# KiCad board 4servoboard-4x4.kicad_pcb (continued)
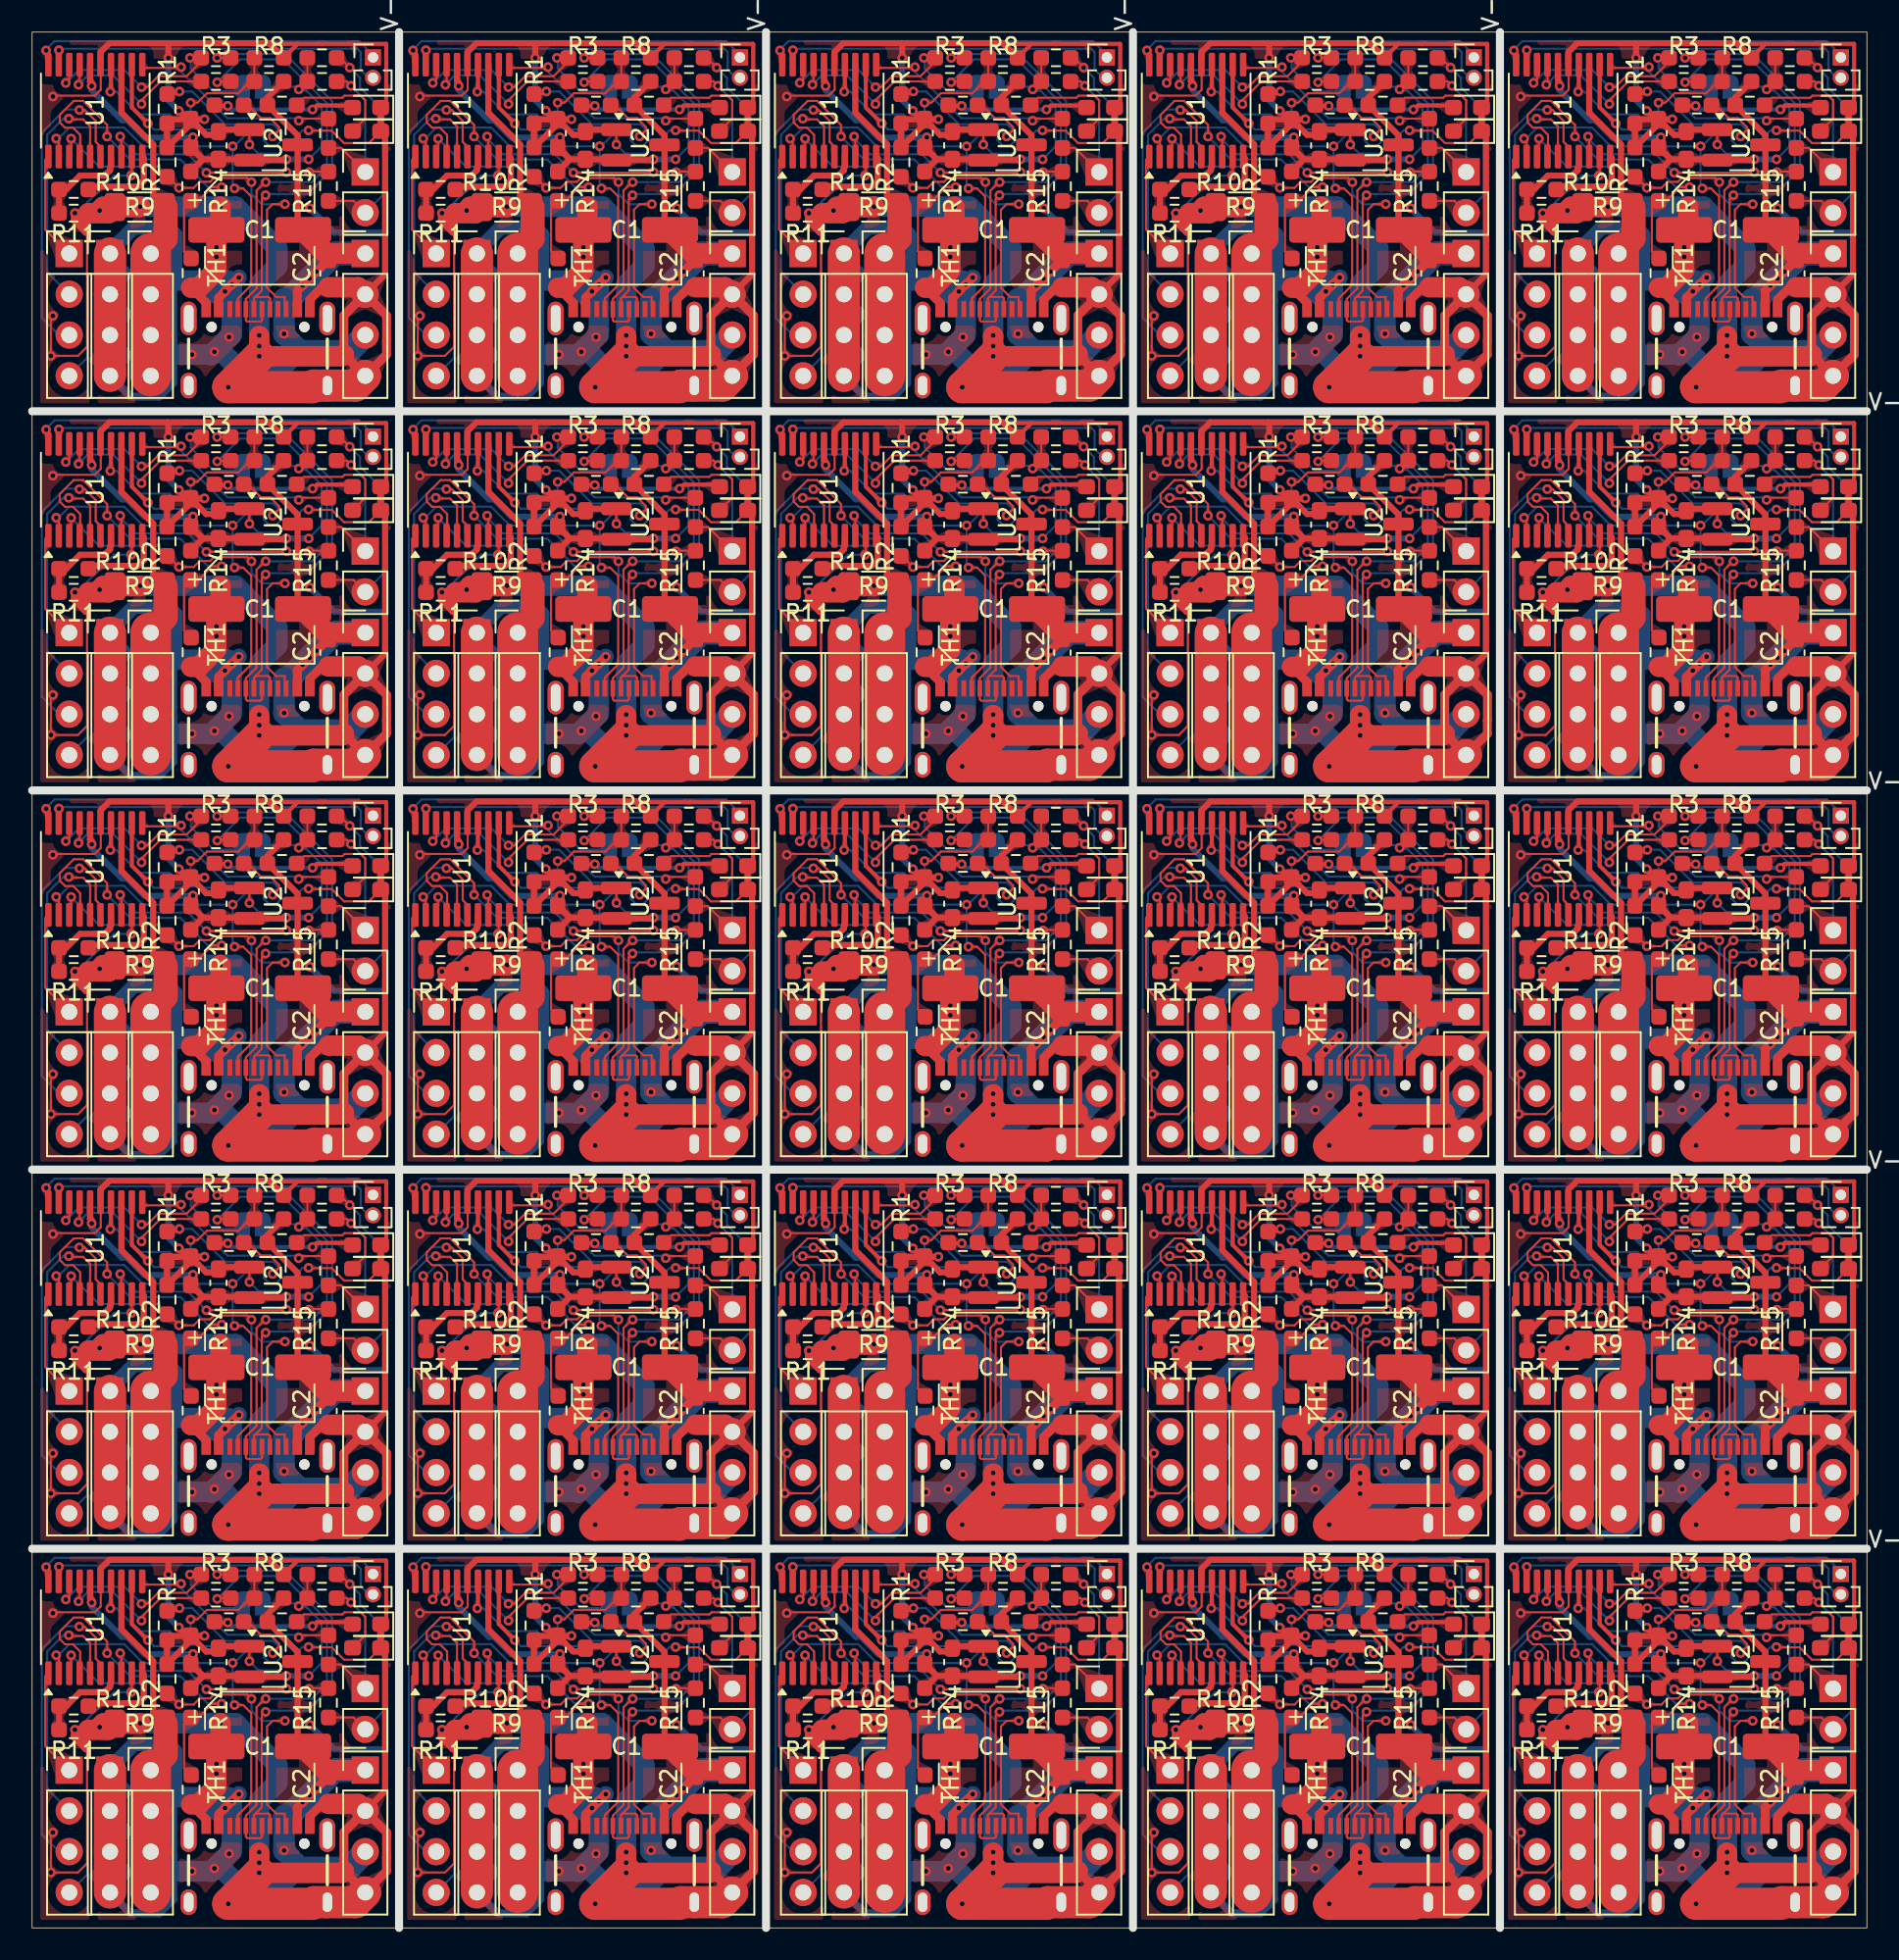
[diagram p0: board, top side]
## Nets (continued)
MCU_LED: R6.2 R6#2.2 R6#3.2 R6#4.2 R6#5.2 R6#6.2 R6#7.2 R6#8.2 R6#9.2 R6#10.2 R6#11.2 R6#12.2 R6#13.2 R6#14.2 R6#15.2 R6#16.2 R6#17.2 R6#18.2 R6#19.2 R6#20.2 R6#21.2 R6#22.2 R6#23.2 R6#24.2 R6#25.2 U1.12 U1#2.12 U1#3.12 U1#4.12 U1#5.12 U1#6.12 U1#7.12 U1#8.12 U1#9.12 U1#10.12 U1#11.12 U1#12.12 U1#13.12 U1#14.12 U1#15.12 U1#16.12 U1#17.12 U1#18.12 U1#19.12 U1#20.12 U1#21.12 U1#22.12 U1#23.12 U1#24.12 U1#25.12
OPA_N: R10.2 R10#2.2 R10#3.2 R10#4.2 R10#5.2 R10#6.2 R10#7.2 R10#8.2 R10#9.2 R10#10.2 R10#11.2 R10#12.2 R10#13.2 R10#14.2 R10#15.2 R10#16.2 R10#17.2 R10#18.2 R10#19.2 R10#20.2 R10#21.2 R10#22.2 R10#23.2 R10#24.2 R10#25.2 R11.1 R11#2.1 R11#3.1 R11#4.1 R11#5.1 R11#6.1 R11#7.1 R11#8.1 R11#9.1 R11#10.1 R11#11.1 R11#12.1 R11#13.1 R11#14.1 R11#15.1 R11#16.1 R11#17.1 R11#18.1 R11#19.1 R11#20.1 R11#21.1 R11#22.1 R11#23.1 R11#24.1 R11#25.1 U1.7 U1#2.7 U1#3.7 U1#4.7 U1#5.7 U1#6.7 U1#7.7 U1#8.7 U1#9.7 U1#10.7 U1#11.7 U1#12.7 U1#13.7 U1#14.7 U1#15.7 U1#16.7 U1#17.7 U1#18.7 U1#19.7 U1#20.7 U1#21.7 U1#22.7 U1#23.7 U1#24.7 U1#25.7
OPA_O: R10.1 R10#2.1 R10#3.1 R10#4.1 R10#5.1 R10#6.1 R10#7.1 R10#8.1 R10#9.1 R10#10.1 R10#11.1 R10#12.1 R10#13.1 R10#14.1 R10#15.1 R10#16.1 R10#17.1 R10#18.1 R10#19.1 R10#20.1 R10#21.1 R10#22.1 R10#23.1 R10#24.1 R10#25.1 U1.10 U1#2.10 U1#3.10 U1#4.10 U1#5.10 U1#6.10 U1#7.10 U1#8.10 U1#9.10 U1#10.10 U1#11.10 U1#12.10 U1#13.10 U1#14.10 U1#15.10 U1#16.10 U1#17.10 U1#18.10 U1#19.10 U1#20.10 U1#21.10 U1#22.10 U1#23.10 U1#24.10 U1#25.10
OPA_P: J4.1 J4.2 J4.3 J4.4 J4#2.1 J4#2.2 J4#2.3 J4#2.4 J4#3.1 J4#3.2 J4#3.3 J4#3.4 J4#4.1 J4#4.2 J4#4.3 J4#4.4 J4#5.1 J4#5.2 J4#5.3 J4#5.4 J4#6.1 J4#6.2 J4#6.3 J4#6.4 J4#7.1 J4#7.2 J4#7.3 J4#7.4 J4#8.1 J4#8.2 J4#8.3 J4#8.4 J4#9.1 J4#9.2 J4#9.3 J4#9.4 J4#10.1 J4#10.2 J4#10.3 J4#10.4 J4#11.1 J4#11.2 J4#11.3 J4#11.4 J4#12.1 J4#12.2 J4#12.3 J4#12.4 J4#13.1 J4#13.2 J4#13.3 J4#13.4 J4#14.1 J4#14.2 J4#14.3 J4#14.4 J4#15.1 J4#15.2 J4#15.3 J4#15.4 J4#16.1 J4#16.2 J4#16.3 J4#16.4 J4#17.1 J4#17.2 J4#17.3 J4#17.4 J4#18.1 J4#18.2 J4#18.3 J4#18.4 J4#19.1 J4#19.2 J4#19.3 J4#19.4 J4#20.1 J4#20.2 J4#20.3 J4#20.4 J4#21.1 J4#21.2 J4#21.3 J4#21.4 J4#22.1 J4#22.2 J4#22.3 J4#22.4 J4#23.1 J4#23.2 J4#23.3 J4#23.4 J4#24.1 J4#24.2 J4#24.3 J4#24.4 J4#25.1 J4#25.2 J4#25.3 J4#25.4 R9.1 R9#2.1 R9#3.1 R9#4.1 R9#5.1 R9#6.1 R9#7.1 R9#8.1 R9#9.1 R9#10.1 R9#11.1 R9#12.1 R9#13.1 R9#14.1 R9#15.1 R9#16.1 R9#17.1 R9#18.1 R9#19.1 R9#20.1 R9#21.1 R9#22.1 R9#23.1 R9#24.1 R9#25.1 U1.13 U1#2.13 U1#3.13 U1#4.13 U1#5.13 U1#6.13 U1#7.13 U1#8.13 U1#9.13 U1#10.13 U1#11.13 U1#12.13 U1#13.13 U1#14.13 U1#15.13 U1#16.13 U1#17.13 U1#18.13 U1#19.13 U1#20.13 U1#21.13 U1#22.13 U1#23.13 U1#24.13 U1#25.13
PB1: R7.2 R7#2.2 R7#3.2 R7#4.2 R7#5.2 R7#6.2 R7#7.2 R7#8.2 R7#9.2 R7#10.2 R7#11.2 R7#12.2 R7#13.2 R7#14.2 R7#15.2 R7#16.2 R7#17.2 R7#18.2 R7#19.2 R7#20.2 R7#21.2 R7#22.2 R7#23.2 R7#24.2 R7#25.2 R8.1 R8#2.1 R8#3.1 R8#4.1 R8#5.1 R8#6.1 R8#7.1 R8#8.1 R8#9.1 R8#10.1 R8#11.1 R8#12.1 R8#13.1 R8#14.1 R8#15.1 R8#16.1 R8#17.1 R8#18.1 R8#19.1 R8#20.1 R8#21.1 R8#22.1 R8#23.1 R8#24.1 R8#25.1 U1.14 U1#2.14 U1#3.14 U1#4.14 U1#5.14 U1#6.14 U1#7.14 U1#8.14 U1#9.14 U1#10.14 U1#11.14 U1#12.14 U1#13.14 U1#14.14 U1#15.14 U1#16.14 U1#17.14 U1#18.14 U1#19.14 U1#20.14 U1#21.14 U1#22.14 U1#23.14 U1#24.14 U1#25.14
PC3: R14.2 R14#2.2 R14#3.2 R14#4.2 R14#5.2 R14#6.2 R14#7.2 R14#8.2 R14#9.2 R14#10.2 R14#11.2 R14#12.2 R14#13.2 R14#14.2 R14#15.2 R14#16.2 R14#17.2 R14#18.2 R14#19.2 R14#20.2 R14#21.2 R14#22.2 R14#23.2 R14#24.2 R14#25.2 TH1.1 TH1#2.1 TH1#3.1 TH1#4.1 TH1#5.1 TH1#6.1 TH1#7.1 TH1#8.1 TH1#9.1 TH1#10.1 TH1#11.1 TH1#12.1 TH1#13.1 TH1#14.1 TH1#15.1 TH1#16.1 TH1#17.1 TH1#18.1 TH1#19.1 TH1#20.1 TH1#21.1 TH1#22.1 TH1#23.1 TH1#24.1 TH1#25.1 U1.4 U1#2.4 U1#3.4 U1#4.4 U1#5.4 U1#6.4 U1#7.4 U1#8.4 U1#9.4 U1#10.4 U1#11.4 U1#12.4 U1#13.4 U1#14.4 U1#15.4 U1#16.4 U1#17.4 U1#18.4 U1#19.4 U1#20.4 U1#21.4 U1#22.4 U1#23.4 U1#24.4 U1#25.4
PWM0: J2.1 J2#2.1 J2#3.1 J2#4.1 J2#5.1 J2#6.1 J2#7.1 J2#8.1 J2#9.1 J2#10.1 J2#11.1 J2#12.1 J2#13.1 J2#14.1 J2#15.1 J2#16.1 J2#17.1 J2#18.1 J2#19.1 J2#20.1 J2#21.1 J2#22.1 J2#23.1 J2#24.1 J2#25.1 U1.1 U1#2.1 U1#3.1 U1#4.1 U1#5.1 U1#6.1 U1#7.1 U1#8.1 U1#9.1 U1#10.1 U1#11.1 U1#12.1 U1#13.1 U1#14.1 U1#15.1 U1#16.1 U1#17.1 U1#18.1 U1#19.1 U1#20.1 U1#21.1 U1#22.1 U1#23.1 U1#24.1 U1#25.1
PWM1: J2.2 J2#2.2 J2#3.2 J2#4.2 J2#5.2 J2#6.2 J2#7.2 J2#8.2 J2#9.2 J2#10.2 J2#11.2 J2#12.2 J2#13.2 J2#14.2 J2#15.2 J2#16.2 J2#17.2 J2#18.2 J2#19.2 J2#20.2 J2#21.2 J2#22.2 J2#23.2 J2#24.2 J2#25.2 U1.5 U1#2.5 U1#3.5 U1#4.5 U1#5.5 U1#6.5 U1#7.5 U1#8.5 U1#9.5 U1#10.5 U1#11.5 U1#12.5 U1#13.5 U1#14.5 U1#15.5 U1#16.5 U1#17.5 U1#18.5 U1#19.5 U1#20.5 U1#21.5 U1#22.5 U1#23.5 U1#24.5 U1#25.5
PWM2: J2.3 J2#2.3 J2#3.3 J2#4.3 J2#5.3 J2#6.3 J2#7.3 J2#8.3 J2#9.3 J2#10.3 J2#11.3 J2#12.3 J2#13.3 J2#14.3 J2#15.3 J2#16.3 J2#17.3 J2#18.3 J2#19.3 J2#20.3 J2#21.3 J2#22.3 J2#23.3 J2#24.3 J2#25.3 U1.6 U1#2.6 U1#3.6 U1#4.6 U1#5.6 U1#6.6 U1#7.6 U1#8.6 U1#9.6 U1#10.6 U1#11.6 U1#12.6 U1#13.6 U1#14.6 U1#15.6 U1#16.6 U1#17.6 U1#18.6 U1#19.6 U1#20.6 U1#21.6 U1#22.6 U1#23.6 U1#24.6 U1#25.6
PWM3: J2.4 J2#2.4 J2#3.4 J2#4.4 J2#5.4 J2#6.4 J2#7.4 J2#8.4 J2#9.4 J2#10.4 J2#11.4 J2#12.4 J2#13.4 J2#14.4 J2#15.4 J2#16.4 J2#17.4 J2#18.4 J2#19.4 J2#20.4 J2#21.4 J2#22.4 J2#23.4 J2#24.4 J2#25.4 U1.9 U1#2.9 U1#3.9 U1#4.9 U1#5.9 U1#6.9 U1#7.9 U1#8.9 U1#9.9 U1#10.9 U1#11.9 U1#12.9 U1#13.9 U1#14.9 U1#15.9 U1#16.9 U1#17.9 U1#18.9 U1#19.9 U1#20.9 U1#21.9 U1#22.9 U1#23.9 U1#24.9 U1#25.9
SWCLK: J7.1 J7#2.1 J7#3.1 J7#4.1 J7#5.1 J7#6.1 J7#7.1 J7#8.1 J7#9.1 J7#10.1 J7#11.1 J7#12.1 J7#13.1 J7#14.1 J7#15.1 J7#16.1 J7#17.1 J7#18.1 J7#19.1 J7#20.1 J7#21.1 J7#22.1 J7#23.1 J7#24.1 J7#25.1 U1.20 U1#2.20 U1#3.20 U1#4.20 U1#5.20 U1#6.20 U1#7.20 U1#8.20 U1#9.20 U1#10.20 U1#11.20 U1#12.20 U1#13.20 U1#14.20 U1#15.20 U1#16.20 U1#17.20 U1#18.20 U1#19.20 U1#20.20 U1#21.20 U1#22.20 U1#23.20 U1#24.20 U1#25.20
SWDIO: J7.2 J7#2.2 J7#3.2 J7#4.2 J7#5.2 J7#6.2 J7#7.2 J7#8.2 J7#9.2 J7#10.2 J7#11.2 J7#12.2 J7#13.2 J7#14.2 J7#15.2 J7#16.2 J7#17.2 J7#18.2 J7#19.2 J7#20.2 J7#21.2 J7#22.2 J7#23.2 J7#24.2 J7#25.2 U1.19 U1#2.19 U1#3.19 U1#4.19 U1#5.19 U1#6.19 U1#7.19 U1#8.19 U1#9.19 U1#10.19 U1#11.19 U1#12.19 U1#13.19 U1#14.19 U1#15.19 U1#16.19 U1#17.19 U1#18.19 U1#19.19 U1#20.19 U1#21.19 U1#22.19 U1#23.19 U1#24.19 U1#25.19
TX2: R15.2 R15#2.2 R15#3.2 R15#4.2 R15#5.2 R15#6.2 R15#7.2 R15#8.2 R15#9.2 R15#10.2 R15#11.2 R15#12.2 R15#13.2 R15#14.2 R15#15.2 R15#16.2 R15#17.2 R15#18.2 R15#19.2 R15#20.2 R15#21.2 R15#22.2 R15#23.2 R15#24.2 R15#25.2 U1.8 U1#2.8 U1#3.8 U1#4.8 U1#5.8 U1#6.8 U1#7.8 U1#8.8 U1#9.8 U1#10.8 U1#11.8 U1#12.8 U1#13.8 U1#14.8 U1#15.8 U1#16.8 U1#17.8 U1#18.8 U1#19.8 U1#20.8 U1#21.8 U1#22.8 U1#23.8 U1#24.8 U1#25.8
TX4: R16.2 R16#2.2 R16#3.2 R16#4.2 R16#5.2 R16#6.2 R16#7.2 R16#8.2 R16#9.2 R16#10.2 R16#11.2 R16#12.2 R16#13.2 R16#14.2 R16#15.2 R16#16.2 R16#17.2 R16#18.2 R16#19.2 R16#20.2 R16#21.2 R16#22.2 R16#23.2 R16#24.2 R16#25.2 U1.11 U1#2.11 U1#3.11 U1#4.11 U1#5.11 U1#6.11 U1#7.11 U1#8.11 U1#9.11 U1#10.11 U1#11.11 U1#12.11 U1#13.11 U1#14.11 U1#15.11 U1#16.11 U1#17.11 U1#18.11 U1#19.11 U1#20.11 U1#21.11 U1#22.11 U1#23.11 U1#24.11 U1#25.11
Net-(D1-A): D1.2 D1#2.2 D1#3.2 D1#4.2 D1#5.2 D1#6.2 D1#7.2 D1#8.2 D1#9.2 D1#10.2 D1#11.2 D1#12.2 D1#13.2 D1#14.2 D1#15.2 D1#16.2 D1#17.2 D1#18.2 D1#19.2 D1#20.2 D1#21.2 D1#22.2 D1#23.2 D1#24.2 D1#25.2 R5.1 R5#2.1 R5#3.1 R5#4.1 R5#5.1 R5#6.1 R5#7.1 R5#8.1 R5#9.1 R5#10.1 R5#11.1 R5#12.1 R5#13.1 R5#14.1 R5#15.1 R5#16.1 R5#17.1 R5#18.1 R5#19.1 R5#20.1 R5#21.1 R5#22.1 R5#23.1 R5#24.1 R5#25.1
Net-(D2-A): D2.2 D2#2.2 D2#3.2 D2#4.2 D2#5.2 D2#6.2 D2#7.2 D2#8.2 D2#9.2 D2#10.2 D2#11.2 D2#12.2 D2#13.2 D2#14.2 D2#15.2 D2#16.2 D2#17.2 D2#18.2 D2#19.2 D2#20.2 D2#21.2 D2#22.2 D2#23.2 D2#24.2 D2#25.2 R6.1 R6#2.1 R6#3.1 R6#4.1 R6#5.1 R6#6.1 R6#7.1 R6#8.1 R6#9.1 R6#10.1 R6#11.1 R6#12.1 R6#13.1 R6#14.1 R6#15.1 R6#16.1 R6#17.1 R6#18.1 R6#19.1 R6#20.1 R6#21.1 R6#22.1 R6#23.1 R6#24.1 R6#25.1
Net-(J1-D+-PadA6): J1.A6 J1.B6 J1#2.A6 J1#2.B6 J1#3.A6 J1#3.B6 J1#4.A6 J1#4.B6 J1#5.A6 J1#5.B6 J1#6.A6 J1#6.B6 J1#7.A6 J1#7.B6 J1#8.A6 J1#8.B6 J1#9.A6 J1#9.B6 J1#10.A6 J1#10.B6 J1#11.A6 J1#11.B6 J1#12.A6 J1#12.B6 J1#13.A6 J1#13.B6 J1#14.A6 J1#14.B6 J1#15.A6 J1#15.B6 J1#16.A6 J1#16.B6 J1#17.A6 J1#17.B6 J1#18.A6 J1#18.B6 J1#19.A6 J1#19.B6 J1#20.A6 J1#20.B6 J1#21.A6 J1#21.B6 J1#22.A6 J1#22.B6 J1#23.A6 J1#23.B6 J1#24.A6 J1#24.B6 J1#25.A6 J1#25.B6 R3.1 R3#2.1 R3#3.1 R3#4.1 R3#5.1 R3#6.1 R3#7.1 R3#8.1 R3#9.1 R3#10.1 R3#11.1 R3#12.1 R3#13.1 R3#14.1 R3#15.1 R3#16.1 R3#17.1 R3#18.1 R3#19.1 R3#20.1 R3#21.1 R3#22.1 R3#23.1 R3#24.1 R3#25.1
Net-(J1-D--PadA7): J1.A7 J1.B7 J1#2.A7 J1#2.B7 J1#3.A7 J1#3.B7 J1#4.A7 J1#4.B7 J1#5.A7 J1#5.B7 J1#6.A7 J1#6.B7 J1#7.A7 J1#7.B7 J1#8.A7 J1#8.B7 J1#9.A7 J1#9.B7 J1#10.A7 J1#10.B7 J1#11.A7 J1#11.B7 J1#12.A7 J1#12.B7 J1#13.A7 J1#13.B7 J1#14.A7 J1#14.B7 J1#15.A7 J1#15.B7 J1#16.A7 J1#16.B7 J1#17.A7 J1#17.B7 J1#18.A7 J1#18.B7 J1#19.A7 J1#19.B7 J1#20.A7 J1#20.B7 J1#21.A7 J1#21.B7 J1#22.A7 J1#22.B7 J1#23.A7 J1#23.B7 J1#24.A7 J1#24.B7 J1#25.A7 J1#25.B7 R4.1 R4#2.1 R4#3.1 R4#4.1 R4#5.1 R4#6.1 R4#7.1 R4#8.1 R4#9.1 R4#10.1 R4#11.1 R4#12.1 R4#13.1 R4#14.1 R4#15.1 R4#16.1 R4#17.1 R4#18.1 R4#19.1 R4#20.1 R4#21.1 R4#22.1 R4#23.1 R4#24.1 R4#25.1
Net-(J3-Pin_1): J3.1 J3#2.1 J3#3.1 J3#4.1 J3#5.1 J3#6.1 J3#7.1 J3#8.1 J3#9.1 J3#10.1 J3#11.1 J3#12.1 J3#13.1 J3#14.1 J3#15.1 J3#16.1 J3#17.1 J3#18.1 J3#19.1 J3#20.1 J3#21.1 J3#22.1 J3#23.1 J3#24.1 J3#25.1 R12.2 R12#2.2 R12#3.2 R12#4.2 R12#5.2 R12#6.2 R12#7.2 R12#8.2 R12#9.2 R12#10.2 R12#11.2 R12#12.2 R12#13.2 R12#14.2 R12#15.2 R12#16.2 R12#17.2 R12#18.2 R12#19.2 R12#20.2 R12#21.2 R12#22.2 R12#23.2 R12#24.2 R12#25.2 R16.1 R16#2.1 R16#3.1 R16#4.1 R16#5.1 R16#6.1 R16#7.1 R16#8.1 R16#9.1 R16#10.1 R16#11.1 R16#12.1 R16#13.1 R16#14.1 R16#15.1 R16#16.1 R16#17.1 R16#18.1 R16#19.1 R16#20.1 R16#21.1 R16#22.1 R16#23.1 R16#24.1 R16#25.1
Net-(J3-Pin_2): J3.2 J3#2.2 J3#3.2 J3#4.2 J3#5.2 J3#6.2 J3#7.2 J3#8.2 J3#9.2 J3#10.2 J3#11.2 J3#12.2 J3#13.2 J3#14.2 J3#15.2 J3#16.2 J3#17.2 J3#18.2 J3#19.2 J3#20.2 J3#21.2 J3#22.2 J3#23.2 J3#24.2 J3#25.2 R13.2 R13#2.2 R13#3.2 R13#4.2 R13#5.2 R13#6.2 R13#7.2 R13#8.2 R13#9.2 R13#10.2 R13#11.2 R13#12.2 R13#13.2 R13#14.2 R13#15.2 R13#16.2 R13#17.2 R13#18.2 R13#19.2 R13#20.2 R13#21.2 R13#22.2 R13#23.2 R13#24.2 R13#25.2 R15.1 R15#2.1 R15#3.1 R15#4.1 R15#5.1 R15#6.1 R15#7.1 R15#8.1 R15#9.1 R15#10.1 R15#11.1 R15#12.1 R15#13.1 R15#14.1 R15#15.1 R15#16.1 R15#17.1 R15#18.1 R15#19.1 R15#20.1 R15#21.1 R15#22.1 R15#23.1 R15#24.1 R15#25.1

Pads without a net: J1 A8 B8 NC1 NC2 NC3; J1#2 A8 B8 NC1 NC2 NC3; J1#3 A8 B8 NC1 NC2 NC3; J1#4 A8 B8 NC1 NC2 NC3; J1#5 A8 B8 NC1 NC2 NC3; J1#6 A8 B8 NC1 NC2 NC3; J1#7 A8 B8 NC1 NC2 NC3; J1#8 A8 B8 NC1 NC2 NC3; J1#9 A8 B8 NC1 NC2 NC3; J1#10 A8 B8 NC1 NC2 NC3; J1#11 A8 B8 NC1 NC2 NC3; J1#12 A8 B8 NC1 NC2 NC3; J1#13 A8 B8 NC1 NC2 NC3; J1#14 A8 B8 NC1 NC2 NC3; J1#15 A8 B8 NC1 NC2 NC3; J1#16 A8 B8 NC1 NC2 NC3; J1#17 A8 B8 NC1 NC2 NC3; J1#18 A8 B8 NC1 NC2 NC3; J1#19 A8 B8 NC1 NC2 NC3; J1#20 A8 B8 NC1 NC2 NC3; J1#21 A8 B8 NC1 NC2 NC3; J1#22 A8 B8 NC1 NC2 NC3; J1#23 A8 B8 NC1 NC2 NC3; J1#24 A8 B8 NC1 NC2 NC3; J1#25 A8 B8 NC1 NC2 NC3

## Via types
v1: diameter 0.6, hole 0.3, Top to Bottom, 1825 vias

## Routing (per net, layer and track width the routed paths; a pad name or vN(x,y) marks a point on that pad's centre or on a via; arc(x,y) is an arc through that point)
GND: length 4182.3
  Top w0.127: U1#17.15 72.86,45.2 72.86,43.65 72.49,43.29 69.93,43.29 v1(69.88,43.23) ; v1(92.74,29.57) 92.61,29.44 v1(92.61,27.08) 94.3,27.08 94.87,27.64 94.87,34.75 94.21,35.4 ; v1(92.74,19.61) 92.79,19.66 95.35,19.66 95.72,20.03 95.72,21.58 U1#4.15 ; D1#20.1 112.41,16.71 110.87,16.71 110.1,17.48 108.68,17.48 v1(108.66,17.5) ; U2#8.1 v1(104.98,63.86) ; v1(85.8,41.12) 85.82,41.1 87.24,41.1 88.01,40.33 89.55,40.33 D1#15.1 ; U1#24.15 27.14,116.07 27.14,114.52 26.77,114.15 24.21,114.15 v1(24.16,114.1) ; v1(24.16,53.19) 24.03,53.06 v1(24.03,50.7) 25.72,50.7 26.29,51.27 26.29,58.37 25.63,59.02 ; v1(1.3,43.23) 1.35,43.29 3.91,43.29 4.28,43.65 4.28,45.2 U1#8.15 ; v1(92.74,43.23) 92.79,43.29 95.35,43.29 95.72,43.65 95.72,45.2 U1#12.15 ; U1#18.15 72.86,92.44 72.86,90.9 72.49,90.53 69.93,90.53 v1(69.88,90.47) ; U1#2.15 72.86,21.58 72.86,20.03 72.49,19.66 69.93,19.66 v1(69.88,19.61) ; D1#13.1 66.69,16.71 65.15,16.71 64.38,17.48 62.96,17.48 v1(62.94,17.5) ; 71.35,59.02 72.01,58.37 72.01,51.27 71.44,50.7 v1(69.75,50.7) 69.75,53.06 v1(69.88,53.19) ; v1(47.02,66.85) 47.07,66.91 49.63,66.91 50,67.28 50,68.82 U1#25.15 ; v1(40.08,88.37) 40.1,88.35 41.52,88.35 42.29,87.58 43.83,87.58 D1#14.1 ; 2.77,106.27 3.43,105.62 3.43,98.51 2.86,97.94 v1(1.17,97.94) 1.17,100.3 v1(1.3,100.43) ; U1#21.15 50,116.07 50,114.52 49.63,114.15 47.07,114.15 v1(47.02,114.1) ; v1(62.94,64.74) 62.96,64.73 64.38,64.73 65.15,63.95 66.69,63.95 D1#10.1 ; U2#10.1 v1(59.26,87.48) ; 48.49,82.65 49.15,81.99 49.15,74.89 48.58,74.32 v1(46.89,74.32) 46.89,76.68 v1(47.02,76.81) ; D1#12.1 89.55,111.2 88.01,111.2 87.24,111.97 85.82,111.97 v1(85.8,111.99) ; U2#19.1 v1(36.4,87.48) ; D1#19.1 43.83,111.2 42.29,111.2 41.52,111.97 40.1,111.97 v1(40.08,111.99) ; v1(92.74,114.1) 92.79,114.15 95.35,114.15 95.72,114.52 95.72,116.07 U1#13.15 ; v1(47.02,43.23) 47.07,43.29 49.63,43.29 50,43.65 50,45.2 U1#22.15 ; v1(17.22,88.37) 17.24,88.35 18.66,88.35 19.43,87.58 20.97,87.58 D1#25.1 ; v1(24.16,43.23) 24.21,43.29 26.77,43.29 27.14,43.65 27.14,45.2 U1#23.15 ; D1#7.1 43.83,63.95 42.29,63.95 41.52,64.73 40.1,64.73 v1(40.08,64.74) ; U1#3.15 72.86,68.82 72.86,67.28 72.49,66.91 69.93,66.91 v1(69.88,66.85) ; v1(85.8,17.5) 85.82,17.48 87.24,17.48 88.01,16.71 89.55,16.71 D1#8.1 ; v1(69.88,76.81) 69.75,76.68 v1(69.75,74.32) 71.44,74.32 72.01,74.89 72.01,81.99 71.35,82.65 ; U2#3.1 v1(104.98,16.61) ; v1(40.08,17.5) 40.1,17.48 41.52,17.48 42.29,16.71 43.83,16.71 D1#22.1 ; U1#7.15 4.28,92.44 4.28,90.9 3.91,90.53 1.35,90.53 v1(1.3,90.47) ; v1(47.02,5.94) 46.89,5.82 v1(46.89,3.45) 48.58,3.45 49.15,4.02 49.15,11.13 48.49,11.78 ; v1(1.3,114.1) 1.35,114.15 3.91,114.15 4.28,114.52 4.28,116.07 U1#20.15 ; v1(17.22,64.74) 17.24,64.73 18.66,64.73 19.43,63.95 20.97,63.95 D1#21.1 ; 48.49,35.4 49.15,34.75 49.15,27.64 48.58,27.08 v1(46.89,27.08) 46.89,29.44 v1(47.02,29.57) ; U2#17.1 v1(59.26,111.1) ; v1(108.66,88.37) 108.68,88.35 110.1,88.35 110.87,87.58 112.41,87.58 D1#4.1 ; 48.49,106.27 49.15,105.62 49.15,98.51 48.58,97.94 v1(46.89,97.94) 46.89,100.3 v1(47.02,100.43) ; v1(69.88,5.94) 69.75,5.82 v1(69.75,3.45) 71.44,3.45 72.01,4.02 72.01,11.13 71.35,11.78 ; v1(1.3,29.57) 1.17,29.44 v1(1.17,27.08) 2.86,27.08 3.43,27.64 3.43,34.75 2.77,35.4 ; U2#14.1 v1(36.4,40.23) ; 94.21,106.27 94.87,105.62 94.87,98.51 94.3,97.94 v1(92.61,97.94) 92.61,100.3 v1(92.74,100.43) ; U2#7.1 v1(36.4,111.1) ; U1#15.15 4.28,21.58 4.28,20.03 3.91,19.66 1.35,19.66 v1(1.3,19.61) ; U2#9.1 v1(13.54,63.86) ; v1(24.16,19.61) 24.21,19.66 26.77,19.66 27.14,20.03 27.14,21.58 U1#19.15 ; 94.21,11.78 94.87,11.13 94.87,4.02 94.3,3.45 v1(92.61,3.45) 92.61,5.82 v1(92.74,5.94) ; D1#5.1 20.97,16.71 19.43,16.71 18.66,17.48 17.24,17.48 v1(17.22,17.5) ; v1(17.22,111.99) 17.24,111.97 18.66,111.97 19.43,111.2 20.97,111.2 D1#23.1 ; U2#20.1 v1(104.98,111.1) ; U1#5.15 95.72,92.44 95.72,90.9 95.35,90.53 92.79,90.53 v1(92.74,90.47) ; U2#15.1 v1(13.54,111.1) ; U1#9.15 50,21.58 50,20.03 49.63,19.66 47.07,19.66 v1(47.02,19.61) ; D1#16.1 112.41,40.33 110.87,40.33 110.1,41.1 108.68,41.1 v1(108.66,41.12) ; v1(24.16,100.43) 24.03,100.3 v1(24.03,97.94) 25.72,97.94 26.29,98.51 26.29,105.62 25.63,106.27 ; U2.1 v1(13.54,87.48) ; D1#9.1 66.69,87.58 65.15,87.58 64.38,88.35 62.96,88.35 v1(62.94,88.37) ; 2.77,82.65 3.43,81.99 3.43,74.89 2.86,74.32 v1(1.17,74.32) 1.17,76.68 v1(1.3,76.81) ; v1(17.22,41.12) 17.24,41.1 18.66,41.1 19.43,40.33 20.97,40.33 D1#3.1 ; D1#17.1 112.41,63.95 110.87,63.95 110.1,64.73 108.68,64.73 v1(108.66,64.74) ; U2#5.1 v1(36.4,63.86) ; U2#6.1 v1(36.4,16.61) ; v1(47.02,90.47) 47.07,90.53 49.63,90.53 50,90.9 50,92.44 U1#10.15 ; U2#23.1 v1(13.54,16.61) ; 71.35,35.4 72.01,34.75 72.01,27.64 71.44,27.08 v1(69.75,27.08) 69.75,29.44 v1(69.88,29.57) ; U2#16.1 v1(82.12,111.1) ; v1(69.88,114.1) 69.93,114.15 72.49,114.15 72.86,114.52 72.86,116.07 U1#16.15 ; U1#6.15 4.28,68.82 4.28,67.28 3.91,66.91 1.35,66.91 v1(1.3,66.85) ; 25.63,82.65 26.29,81.99 26.29,74.89 25.72,74.32 v1(24.03,74.32) 24.03,76.68 v1(24.16,76.81) ; 71.35,106.27 72.01,105.62 72.01,98.51 71.44,97.94 v1(69.75,97.94) 69.75,100.3 v1(69.88,100.43) ; v1(1.3,53.19) 1.17,53.06 v1(1.17,50.7) 2.86,50.7 3.43,51.27 3.43,58.37 2.77,59.02 ; D1#24.1 43.83,40.33 42.29,40.33 41.52,41.1 40.1,41.1 v1(40.08,41.12) ; v1(92.74,66.85) 92.79,66.91 95.35,66.91 95.72,67.28 95.72,68.82 U1#11.15 ; v1(62.94,111.99) 62.96,111.97 64.38,111.97 65.15,111.2 66.69,111.2 D1#18.1 ; 2.77,11.78 3.43,11.13 3.43,4.02 2.86,3.45 v1(1.17,3.45) 1.17,5.82 v1(1.3,5.94) ; D1.1 89.55,87.58 88.01,87.58 87.24,88.35 85.82,88.35 v1(85.8,88.37) ; v1(108.66,111.99) 108.68,111.97 110.1,111.97 110.87,111.2 112.41,111.2 D1#2.1 ; v1(24.16,66.85) 24.21,66.91 26.77,66.91 27.14,67.28 27.14,68.82 U1#14.15 ; v1(92.74,53.19) 92.61,53.06 v1(92.61,50.7) 94.3,50.7 94.87,51.27 94.87,58.37 94.21,59.02 ; 48.49,59.02 49.15,58.37 49.15,51.27 48.58,50.7 v1(46.89,50.7) 46.89,53.06 v1(47.02,53.19) ; v1(24.16,90.47) 24.21,90.53 26.77,90.53 27.14,90.9 27.14,92.44 U1.15 ; D1#11.1 66.69,40.33 65.15,40.33 64.38,41.1 62.96,41.1 v1(62.94,41.12) ; U2#21.1 v1(59.26,16.61) ; D1#6.1 89.55,63.95 88.01,63.95 87.24,64.73 85.82,64.73 v1(85.8,64.74) ; 94.21,82.65 94.87,81.99 94.87,74.89 94.3,74.32 v1(92.61,74.32) 92.61,76.68 v1(92.74,76.81) ; v1(24.16,29.57) 24.03,29.44 v1(24.03,27.08) 25.72,27.08 26.29,27.64 26.29,34.75 25.63,35.4 ; U2#18.1 v1(59.26,63.86) ; U2#24.1 v1(59.26,40.23) ; U2#4.1 v1(82.12,87.48) ; U2#2.1 v1(13.54,40.23) ; U2#12.1 v1(104.98,87.48) ; U2#25.1 v1(82.12,16.61) ; v1(24.16,5.94) 24.03,5.82 v1(24.03,3.45) 25.72,3.45 26.29,4.02 26.29,11.13 25.63,11.78 ; U2#13.1 v1(82.12,63.86) ; U2#11.1 v1(82.12,40.23) ; U2#22.1 v1(104.98,40.23)
  Top w0.254: 62.26,93.75 60.53,93.75 ; 62.26,93.75 R8#6.2 ; 62.26,93.75 67.77,93.75 67.78,93.74 67.78,90.14 D2#19.1 ; 39.4,70.13 37.67,70.13 ; 39.4,70.13 R8#12.2 ; 39.4,70.13 44.91,70.13 44.92,70.12 44.92,66.52 D2#17.1 ; 62.26,117.38 R8#5.2 ; 62.26,117.38 67.77,117.38 67.78,117.36 67.78,113.76 D2#5.1 ; 62.26,117.38 60.53,117.38 ; 39.4,117.38 37.67,117.38 ; 39.4,117.38 44.91,117.38 44.92,117.36 44.92,113.76 D2#16.1 ; 39.4,117.38 R8#14.2 ; 16.54,117.38 22.05,117.38 22.06,117.36 22.06,113.76 D2#15.1 ; 16.54,117.38 R8#22.2 ; 16.54,117.38 14.81,117.38 ; 16.54,22.89 22.05,22.89 22.06,22.88 22.06,19.27 D2#25.1 ; 16.54,22.89 R8#20.2 ; 16.54,22.89 14.81,22.89 ; D2#8.1 113.5,66.52 113.5,70.12 113.49,70.13 107.98,70.13 ; 85.12,117.38 83.39,117.38 ; 85.12,117.38 90.63,117.38 90.64,117.36 90.64,113.76 D2#10.1 ; 85.12,117.38 R8#19.2 ; D2#2.1 90.64,66.52 90.64,70.12 90.63,70.13 85.12,70.13 ; 39.4,93.75 37.67,93.75 ; 39.4,93.75 44.91,93.75 44.92,93.74 44.92,90.14 D2#6.1 ; 39.4,93.75 R8#8.2 ; 62.26,70.13 R8#17.2 ; 62.26,70.13 67.77,70.13 67.78,70.12 67.78,66.52 D2#3.1 ; 62.26,70.13 60.53,70.13 ; D2#20.1 113.5,113.76 113.5,117.36 113.49,117.38 107.98,117.38 ; 62.26,22.89 60.53,22.89 ; 62.26,22.89 67.77,22.89 67.78,22.88 67.78,19.27 D2#13.1 ; 62.26,22.89 R8#11.2 ; 85.12,93.75 83.39,93.75 ; 85.12,93.75 90.63,93.75 90.64,93.74 90.64,90.14 D2#24.1 ; 85.12,93.75 R8#2.2 ; 16.54,70.13 22.05,70.13 22.06,70.12 22.06,66.52 D2#9.1 ; 16.54,70.13 14.81,70.13 ; 16.54,70.13 R8#15.2 ; D2#12.1 90.64,42.89 90.64,46.5 90.63,46.51 85.12,46.51 ; 107.98,46.51 R8#9.2 ; 107.98,46.51 106.25,46.51 ; 107.98,46.51 113.49,46.51 113.5,46.5 113.5,42.89 D2#11.1 ; 16.54,93.75 R8#25.2 ; 16.54,93.75 14.81,93.75 ; 16.54,93.75 22.05,93.75 22.06,93.74 22.06,90.14 D2#4.1 ; D2#7.1 113.5,90.14 113.5,93.74 113.49,93.75 107.98,93.75 ; D2#21.1 90.64,19.27 90.64,22.88 90.63,22.89 85.12,22.89 ; 85.12,22.89 R8#10.2 ; 85.12,22.89 83.39,22.89 ; 107.98,70.13 R8#13.2 ; 107.98,70.13 106.25,70.13 ; 62.26,46.51 R8#3.2 ; 62.26,46.51 60.53,46.51 ; 62.26,46.51 67.77,46.51 67.78,46.5 67.78,42.89 D2#18.1 ; 85.12,46.51 83.39,46.51 ; 85.12,46.51 R8#4.2 ; 85.12,70.13 83.39,70.13 ; 85.12,70.13 R8#16.2 ; 39.4,46.51 R8#7.2 ; 39.4,46.51 44.91,46.51 44.92,46.5 44.92,42.89 D2.1 ; 39.4,46.51 37.67,46.51 ; 16.54,46.51 22.05,46.51 22.06,46.5 22.06,42.89 D2#14.1 ; 16.54,46.51 14.81,46.51 ; 16.54,46.51 R8#18.2 ; 107.98,22.89 R8#23.2 ; 107.98,22.89 113.49,22.89 113.5,22.88 113.5,19.27 D2#22.1 ; 107.98,22.89 106.25,22.89 ; 39.4,22.89 R8#21.2 ; 39.4,22.89 44.91,22.89 44.92,22.88 44.92,19.27 D2#23.1 ; 39.4,22.89 37.67,22.89 ; 107.98,93.75 106.25,93.75 ; 107.98,93.75 R8#24.2 ; 107.98,117.38 R8.2 ; 107.98,117.38 106.25,117.38
  Top w0.381: C4#23.2 32.54,18.18 v1(32,18.72) ; C4#23.2 33.16,17.76 33.17,17.76 33.71,17.22 34.27,17.22 C3#7.2 34.59,17.55 U2#6.1 ; C4#23.2 32.51,18.41 ; C4#23.2 33.59,18.18 v1(33.6,18.19) ; C4#23.2 31.52,18.18 R1#2.1 R2#6.1 32.74,17.91 C4#23.2 ; v1(102.18,89.06) 102.17,89.05 C4#18.2 ; C4#13.2 77.24,89.05 R1#20.1 R2#21.1 78.46,88.77 C4#13.2 ; C4#13.2 78.23,89.28 ; C4#13.2 79.31,89.05 v1(79.32,89.06) ; C4#13.2 78.26,89.05 v1(77.72,89.59) ; C4#13.2 78.88,88.63 78.89,88.63 79.43,88.09 79.99,88.09 C3#4.2 80.31,88.41 U2#4.1 ; C4#14.2 32.74,65.15 R2#11.1 R1#3.1 31.52,65.43 C4#14.2 ; C4#14.2 32.51,65.66 ; C4#14.2 32.54,65.43 v1(32,65.96) ; C4#14.2 33.59,65.43 v1(33.6,65.44) ; C4#14.2 33.16,65 33.17,65 33.71,64.47 34.27,64.47 C3#17.2 34.59,64.79 U2#5.1 ; C4#5.2 9.65,112.9 ; C4#5.2 9.68,112.67 v1(9.14,113.21) ; C4#5.2 9.88,112.4 R2#7.1 R1#21.1 8.66,112.67 C4#5.2 ; C4#5.2 10.73,112.67 v1(10.74,112.68) ; C4#5.2 10.3,112.25 10.31,112.25 10.85,111.71 11.41,111.71 C3#18.2 11.73,112.03 U2#15.1 ; D2#16.1 D1#19.1 44.85,111.66 44.85,103.02 J6#16.2 ; 54.15,46.55 60.48,46.55 R8#3.2 ; 54.15,46.55 50.54,46.55 49.98,46 U1#22.15 ; 54.15,46.55 54.2,46.5 v1(54.2,45.64) ; U2#21.1 57.45,17.55 C3#25.2 57.13,17.22 56.57,17.22 56.03,17.76 56.02,17.76 C4#6.2 ; C4#10.2 8.66,41.81 R1#10.1 R2#20.1 9.88,41.53 C4#10.2 ; C4#10.2 10.73,41.81 v1(10.74,41.82) ; C4#10.2 9.68,41.81 v1(9.14,42.34) ; C4#10.2 9.65,42.03 ; C4#10.2 10.3,41.38 10.31,41.38 10.85,40.84 11.41,40.84 C3#6.2 11.73,41.17 U2#2.1 ; C4#21.2 77.24,41.81 R1#14.1 R2.1 78.46,41.53 C4#21.2 ; C4#21.2 78.23,42.03 ; C4#21.2 78.26,41.81 v1(77.72,42.34) ; C4#21.2 79.31,41.81 v1(79.32,41.82) ; C4#21.2 78.88,41.38 78.89,41.38 79.43,40.84 79.99,40.84 C3#15.2 80.31,41.17 U2#11.1 ; J6#24.2 44.85,79.4 44.85,88.04 D1#14.1 D2#6.1 ; 31.29,70.17 31.34,70.12 v1(31.34,69.26) ; 31.29,70.17 27.68,70.17 27.12,69.62 U1#14.15 ; 31.29,70.17 37.62,70.17 R8#12.2 ; C4#24.2 32.51,89.28 ; C4#24.2 33.16,88.63 33.17,88.63 33.71,88.09 34.27,88.09 C3#10.2 34.59,88.41 U2#19.1 ; C4#24.2 31.52,89.05 R1#19.1 R2#12.1 32.74,88.77 C4#24.2 ; C4#24.2 32.54,89.05 v1(32,89.59) ; C4#24.2 33.59,89.05 v1(33.6,89.06) ; R8#18.2 14.76,46.55 8.43,46.55 ; v1(77.72,113.21) 78.26,112.67 C4#25.2 ; 54.15,70.17 50.54,70.17 49.98,69.62 U1#25.15 ; 54.15,70.17 60.48,70.17 R8#17.2 ; 54.15,70.17 54.2,70.12 v1(54.2,69.26) ; U1#9.15 49.98,22.38 50.54,22.93 54.15,22.93 ; R8#7.2 37.62,46.55 31.29,46.55 ; v1(54.2,116.51) 54.2,117.37 54.15,117.42 ; D2.1 D1#24.1 44.85,40.79 44.85,32.15 J6#22.2 ; C4#9.2 101.09,18.41 ; C4#9.2 101.32,17.91 R2#15.1 R1#13.1 100.1,18.18 C4#9.2 ; C4#9.2 101.12,18.18 v1(100.58,18.72) ; C4#9.2 101.74,17.76 101.75,17.76 102.29,17.22 102.85,17.22 C3#23.2 103.17,17.55 U2#3.1 ; C4#9.2 102.17,18.18 v1(102.18,18.19) ; J6#9.2 67.71,55.78 67.71,64.41 D1#10.1 D2#3.1 ; 54.15,93.8 50.54,93.8 49.98,93.24 U1#10.15 ; 54.15,93.8 54.2,93.75 v1(54.2,92.88) ; 54.15,93.8 60.48,93.8 R8#6.2 ; D2#10.1 D1#12.1 90.57,111.66 90.57,103.02 J6.2 ; v1(77.06,45.64) 77.06,46.5 77.01,46.55 ; U1#5.15 95.7,93.24 96.26,93.8 99.87,93.8 ; C4#22.2 9.88,88.77 R2#2.1 R1.1 8.66,89.05 C4#22.2 ; C4#22.2 9.65,89.28 ; C4#22.2 10.3,88.63 10.31,88.63 10.85,88.09 11.41,88.09 C3#14.2 11.73,88.41 U2.1 ; C4#22.2 9.68,89.05 v1(9.14,89.59) ; C4#22.2 10.73,89.05 v1(10.74,89.06) ; 77.01,70.17 73.4,70.17 72.84,69.62 U1#3.15 ; 77.01,70.17 77.06,70.12 v1(77.06,69.26) ; 77.01,70.17 83.34,70.17 R8#16.2 ; C4#11.2 32.54,112.67 v1(32,113.21) ; C4#11.2 32.74,112.4 R2#10.1 R1#24.1 31.52,112.67 C4#11.2 ; C4#11.2 33.59,112.67 v1(33.6,112.68) ; C4#11.2 32.51,112.9 ; C4#11.2 33.16,112.25 33.17,112.25 33.71,111.71 34.27,111.71 C3#22.2 34.59,112.03 U2#7.1 ; C4#12.2 56.02,41.38 56.03,41.38 56.57,40.84 57.13,40.84 C3#19.2 57.45,41.17 U2#24.1 ; C4#12.2 55.37,42.03 ; C4#12.2 56.45,41.81 v1(56.46,41.82) ; C4#12.2 54.38,41.81 R1#5.1 R2#5.1 55.6,41.53 C4#12.2 ; C4#12.2 55.4,41.81 v1(54.86,42.34) ; 77.01,117.42 73.4,117.42 72.84,116.87 U1#16.15 ; 77.01,117.42 77.06,117.37 v1(77.06,116.51) ; 77.01,117.42 83.34,117.42 R8#19.2 ; C4#19.2 8.66,65.43 R1#9.1 R2#18.1 9.88,65.15 C4#19.2 ; C4#19.2 9.65,65.66 ; C4#19.2 10.3,65 10.31,65 10.85,64.47 11.41,64.47 C3#5.2 11.73,64.79 U2#9.1 ; C4#19.2 10.73,65.43 v1(10.74,65.44) ; C4#19.2 9.68,65.43 v1(9.14,65.96) ; 99.87,117.42 106.2,117.42 R8.2 ; 99.87,117.42 99.92,117.37 v1(99.92,116.51) ; 99.87,117.42 96.26,117.42 95.7,116.87 U1#13.15 ; C4.2 102.17,112.67 v1(102.18,112.68) ; C4.2 101.74,112.25 101.75,112.25 102.29,111.71 102.85,111.71 C3#21.2 103.17,112.03 U2#20.1 ; C4.2 101.32,112.4 R2#13.1 R1#18.1 100.1,112.67 C4.2 ; C4.2 101.09,112.9 ; C4.2 101.12,112.67 v1(100.58,113.21) ; C4#17.2 78.88,17.76 78.89,17.76 79.43,17.22 79.99,17.22 C3#20.2 80.31,17.55 U2#25.1 ; C4#17.2 79.31,18.18 v1(79.32,18.19) ; C4#17.2 78.46,17.91 R2#14.1 R1#15.1 77.24,18.18 C4#17.2 ; C4#17.2 78.26,18.18 v1(77.72,18.72) ; C4#17.2 78.23,18.41 ; J6#12.2 90.57,55.78 90.57,64.41 D1#6.1 D2#2.1 ; R8#24.2 106.2,93.8 99.87,93.8 ; 8.43,93.8 4.82,93.8 4.26,93.24 U1#7.15 ; 8.43,93.8 14.76,93.8 R8#25.2 ; 8.43,93.8 8.48,93.75 v1(8.48,92.88) ; C4#25.2 78.23,112.9 ; C4#25.2 78.46,112.4 R2#4.1 R1#23.1 77.24,112.67 C4#25.2 ; C4#25.2 78.88,112.25 78.89,112.25 79.43,111.71 79.99,111.71 C3#3.2 80.31,112.03 U2#16.1 ; C4#25.2 79.31,112.67 v1(79.32,112.68) ; v1(8.48,69.26) 8.48,70.12 8.43,70.17 ; J6#13.2 67.71,8.53 67.71,17.17 D1#13.1 D2#13.1 ; C4#20.2 78.88,65 78.89,65 79.43,64.47 79.99,64.47 C3#2.2 80.31,64.79 U2#13.1 ; C4#20.2 78.26,65.43 v1(77.72,65.96) ; C4#20.2 79.31,65.43 v1(79.32,65.44) ; C4#20.2 78.46,65.15 R2#8.1 R1#17.1 77.24,65.43 C4#20.2 ; C4#20.2 78.23,65.66 ; v1(99.92,45.64) 99.92,46.5 99.87,46.55 ; 77.01,93.8 83.34,93.8 R8#2.2 ; 77.01,93.8 77.06,93.75 v1(77.06,92.88) ; 77.01,93.8 73.4,93.8 72.84,93.24 U1#18.15 ; C4#2.2 55.37,112.9 ; C4#2.2 56.02,112.25 56.03,112.25 56.57,111.71 57.13,111.71 C3#8.2 57.45,112.03 U2#17.1 ; C4#2.2 55.4,112.67 v1(54.86,113.21) ; C4#2.2 54.38,112.67 R1#7.1 R2#24.1 55.6,112.4 C4#2.2 ; C4#2.2 56.45,112.67 v1(56.46,112.68) ; 31.29,46.55 27.68,46.55 27.12,46 U1#23.15 ; 31.29,46.55 31.34,46.5 v1(31.34,45.64) ; C4#15.2 102.17,65.43 v1(102.18,65.44) ; C4#15.2 101.09,65.66 ; C4#15.2 101.32,65.15 R2#9.1 R1#16.1 100.1,65.43 C4#15.2 ; C4#15.2 101.74,65 101.75,65 102.29,64.47 102.85,64.47 C3#11.2 103.17,64.79 U2#8.1 ; C4#15.2 101.12,65.43 v1(100.58,65.96) ; C4#8.2 55.37,65.66 ; C4#8.2 54.38,65.43 R1#22.1 R2#22.1 55.6,65.15 C4#8.2 ; C4#8.2 56.02,65 56.03,65 56.57,64.47 57.13,64.47 C3.2 57.45,64.79 U2#18.1 ; C4#8.2 55.4,65.43 v1(54.86,65.96) ; C4#8.2 56.45,65.43 v1(56.46,65.44) ; U2#23.1 11.73,17.55 C3#16.2 11.41,17.22 10.85,17.22 10.31,17.76 10.3,17.76 C4#4.2 ; U1#19.15 27.12,22.38 27.68,22.93 31.29,22.93 ; v1(54.86,18.72) 55.4,18.18 C4#6.2 ; 99.87,46.55 96.26,46.55 95.7,46 U1#12.15 ; 99.87,46.55 106.2,46.55 R8#9.2 ; 54.15,22.93 54.2,22.88 v1(54.2,22.02) ; 54.15,22.93 60.48,22.93 R8#11.2 ; 99.87,22.93 106.2,22.93 R8#23.2 ; 99.87,22.93 99.92,22.88 v1(99.92,22.02) ; 99.87,22.93 96.26,22.93 95.7,22.38 U1#4.15 ; v1(8.48,22.02) 8.48,22.88 8.43,22.93 ; C4#6.2 56.45,18.18 v1(56.46,18.19) ; C4#6.2 55.37,18.41 ; C4#6.2 54.38,18.18 R1#6.1 R2#16.1 55.6,17.91 C4#6.2 ; R8#21.2 37.62,22.93 31.29,22.93 ; J6#3.2 44.85,8.53 44.85,17.17 D1#22.1 D2#23.1 ; 31.29,22.93 31.34,22.88 v1(31.34,22.02) ; 31.29,93.8 31.34,93.75 v1(31.34,92.88) ; 31.29,93.8 27.68,93.8 27.12,93.24 U1.15 ; 31.29,93.8 37.62,93.8 R8#8.2 ; R8#10.2 83.34,22.93 77.01,22.93 ; 8.43,70.17 4.82,70.17 4.26,69.62 U1#6.15 ; 8.43,70.17 14.76,70.17 R8#15.2 ; 99.87,70.17 96.26,70.17 95.7,69.62 U1#11.15 ; 99.87,70.17 99.92,70.12 v1(99.92,69.26) ; 99.87,70.17 106.2,70.17 R8#13.2 ; v1(8.48,45.64) 8.48,46.5 8.43,46.55 ; v1(102.18,41.82) 102.17,41.81 C4#3.2 ; v1(56.46,89.06) 56.45,89.05 C4#16.2 ; J6#14.2 67.71,103.02 67.71,111.66 D1#18.1 D2#5.1 ; D2#19.1 D1#9.1 67.71,88.04 67.71,79.4 J6#4.2 ; C4#18.2 101.74,88.63 101.75,88.63 102.29,88.09 102.85,88.09 C3#12.2 103.17,88.41 U2#12.1 ; C4#18.2 101.12,89.05 v1(100.58,89.59) ; C4#18.2 100.1,89.05 R1#8.1 R2#25.1 101.32,88.77 C4#18.2 ; C4#18.2 101.09,89.28 ; R8#4.2 83.34,46.55 77.01,46.55 ; C4#4.2 9.65,18.41 ; C4#4.2 10.73,18.18 v1(10.74,18.19) ; C4#4.2 8.66,18.18 R1#25.1 R2#19.1 9.88,17.91 C4#4.2 ; C4#4.2 9.68,18.18 v1(9.14,18.72) ; C4#7.2 32.54,41.81 v1(32,42.34) ; C4#7.2 31.52,41.81 R1#12.1 R2#17.1 32.74,41.53 C4#7.2 ; C4#7.2 33.59,41.81 v1(33.6,41.82) ; C4#7.2 33.16,41.38 33.17,41.38 33.71,40.84 34.27,40.84 C3#13.2 34.59,41.17 U2#14.1 ; C4#7.2 32.51,42.03 ; C4#3.2 101.32,41.53 R2#23.1 R1#11.1 100.1,41.81 C4#3.2 ; C4#3.2 101.12,41.81 v1(100.58,42.34) ; C4#3.2 101.09,42.03 ; C4#3.2 101.74,41.38 101.75,41.38 102.29,40.84 102.85,40.84 C3#24.2 103.17,41.17 U2#22.1 ; R8#20.2 14.76,22.93 8.43,22.93 ; 8.43,22.93 4.82,22.93 4.26,22.38 U1#15.15 ; 77.01,46.55 73.4,46.55 72.84,46 U1#17.15 ; v1(99.92,92.88) 99.92,93.75 99.87,93.8 ; C4#16.2 55.4,89.05 v1(54.86,89.59) ; C4#16.2 54.38,89.05 R1#4.1 R2#3.1 55.6,88.77 C4#16.2 ; C4#16.2 56.02,88.63 56.03,88.63 56.57,88.09 57.13,88.09 C3#9.2 57.45,88.41 U2#10.1 ; C4#16.2 55.37,89.28 ; 31.29,117.42 31.34,117.37 v1(31.34,116.51) ; 31.29,117.42 37.62,117.42 R8#14.2 ; 31.29,117.42 27.68,117.42 27.12,116.87 U1#24.15 ; D2#17.1 D1#7.1 44.85,64.41 44.85,55.78 J6#19.2 ; D2#4.1 D1#25.1 21.99,88.04 21.99,79.4 J6#23.2 ; U1#20.15 4.26,116.87 4.82,117.42 8.43,117.42 ; D2#20.1 D1#2.1 113.43,111.66 113.43,103.02 J6#11.2 ; J6#8.2 67.71,32.15 67.71,40.79 D1#11.1 D2#18.1 ; 77.01,22.93 73.4,22.93 72.84,22.38 U1#2.15 ; 77.01,22.93 77.06,22.88 v1(77.06,22.02) ; 54.15,117.42 50.54,117.42 49.98,116.87 U1#21.15 ; 54.15,117.42 60.48,117.42 R8#5.2 ; U1#8.15 4.26,46 4.82,46.55 8.43,46.55 ; J6#6.2 113.43,32.15 113.43,40.79 D1#16.1 D2#11.1 ; 8.43,117.42 14.76,117.42 R8#22.2 ; 8.43,117.42 8.48,117.37 v1(8.48,116.51) ; D2#14.1 D1#3.1 21.99,40.79 21.99,32.15 J6#18.2 ; D2#12.1 D1#15.1 90.57,40.79 90.57,32.15 J6#2.2 ; D2#24.1 D1.1 90.57,88.04 90.57,79.4 J6#15.2 ; J6#20.2 113.43,55.78 113.43,64.41 D1#17.1 D2#8.1 ; D2#25.1 D1#5.1 21.99,17.17 21.99,8.53 J6#10.2 ; J6#25.2 113.43,8.53 113.43,17.17 D1#20.1 D2#22.1 ; J6#5.2 21.99,55.78 21.99,64.41 D1#21.1 D2#9.1 ; J6#21.2 90.57,8.53 90.57,17.17 D1#8.1 D2#21.1 ; D2#15.1 D1#23.1 21.99,111.66 21.99,103.02 J6#7.2 ; D2#7.1 D1#4.1 113.43,88.04 113.43,79.4 J6#17.2